# Altium PCB Giro_scope_2.0.PcbDoc (part 3 of 3)
Units mm, origin at the board's own origin, x right, y up, seen from the top; angles counter-clockwise.
Board outline 210.95 x 111.04 mm, 2 copper layers (Top Layer, Bottom Layer); 287 components, 128 nets, 1216 pads, 138 vias.
Unrouted connection lines stored in the file: 33.
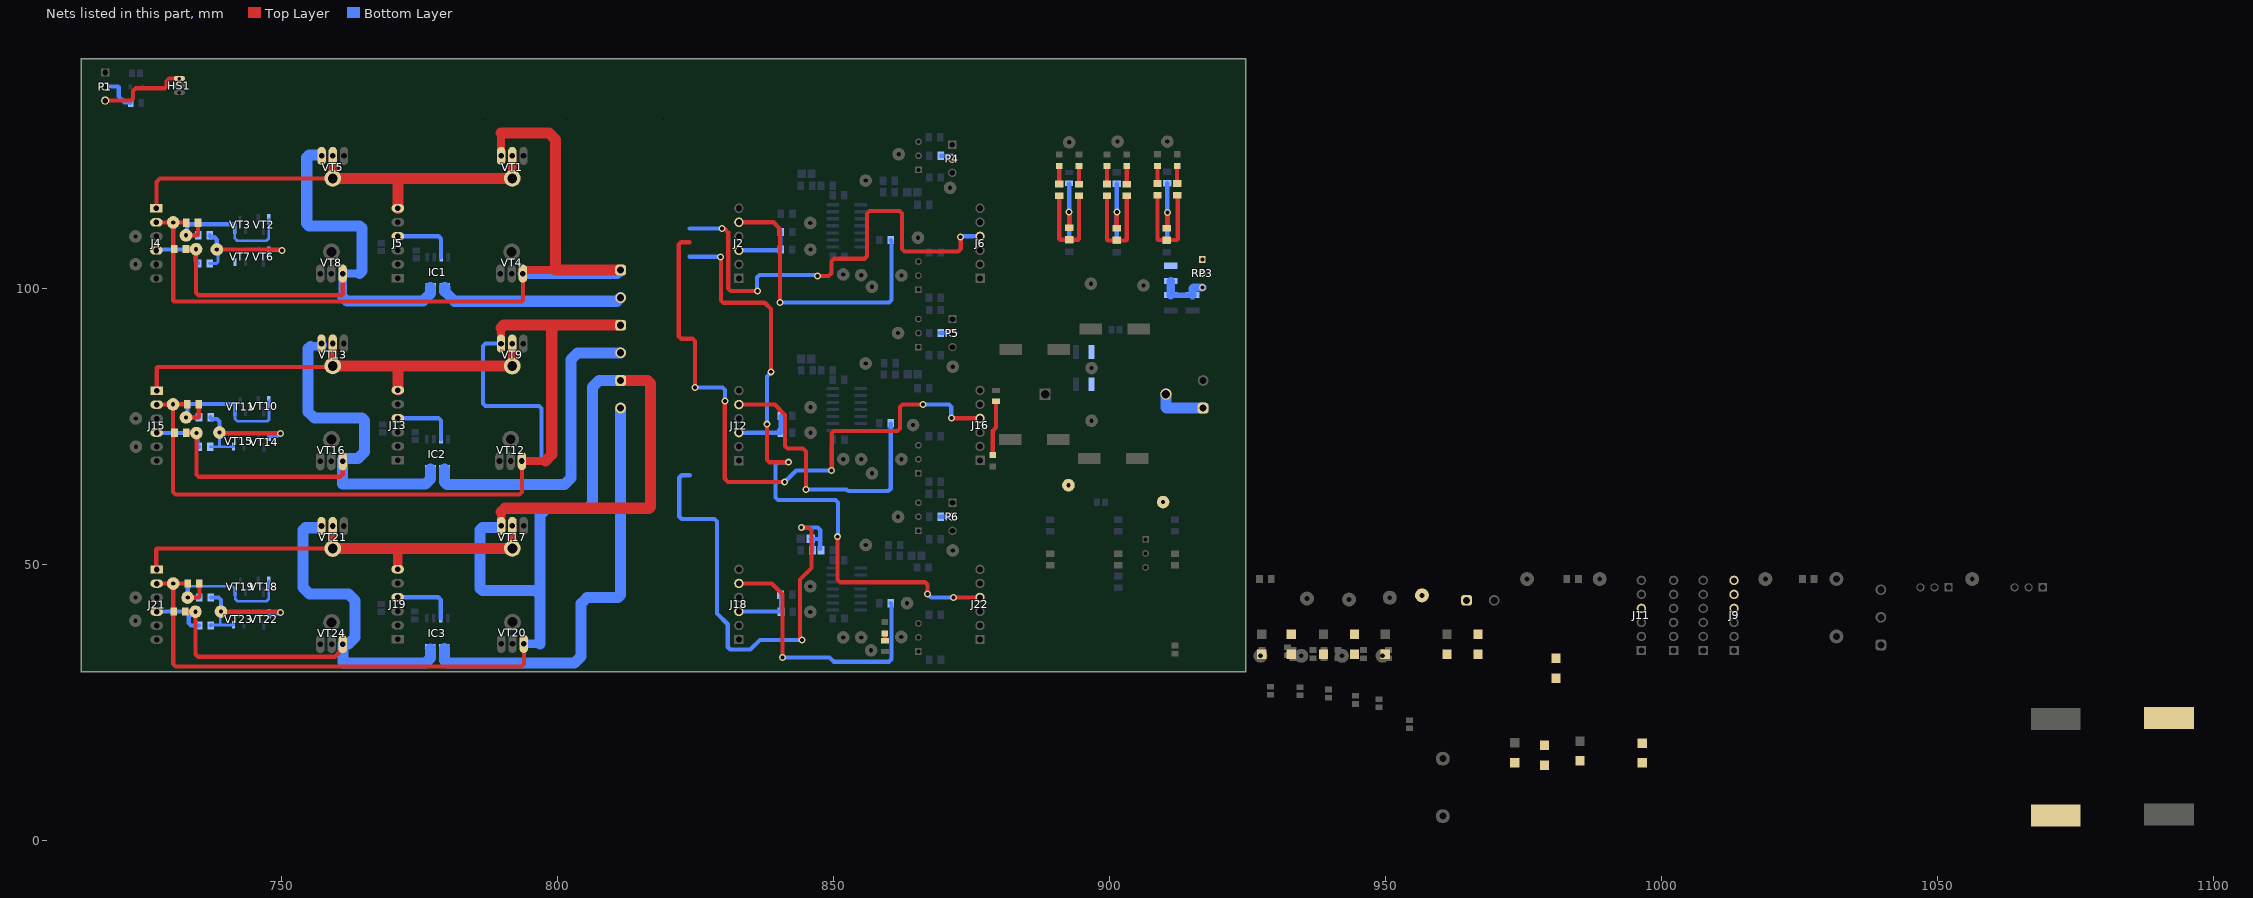
[diagram p3: the nets of this part, all layers, seen from the top]

## Via types
v1: diameter 1.27, hole 0.711, Top Layer to Bottom Layer, tented both sides, 106 vias
v2: diameter 1.5, hole 1.5, Top Layer to Bottom Layer, 20 vias
v3: diameter 6, hole 3, Top Layer to Bottom Layer, 8 vias
v4: diameter 1.27, hole 0.711, Top Layer to Bottom Layer, 4 vias

## Nets (pads, with @x,y where several pads share a name; then routed paths per layer and width w, separated by ;. In a path a pad name is that pad's centre, name@x,y a point inside that pad or via, vN(x,y) a via of type N, cw(c..) or ccw(c..) an arc to the next point about the centre after c; other vN are vias at no path point) (continued)
NetC19_2: C19.2 J11.4 R84.1 R89.1 | length 88
  Top Layer w0.762: v1(844.169,56.667) 844.266,56.57 845.551,56.57 845.998,56.124 845.998,49.327 843.94,47.269 843.94,36.79 844.271,36.459 v1(844.271,36.322)
  Bottom Layer w0.762: 823.976,66.142 822.517,66.142 822.071,65.695 822.071,58.663 822.517,58.217 828.457,58.217 828.904,57.77 828.904,41.123 830.859,39.167 830.859,35.016 831.306,34.569 834.923,34.569 836.676,36.322 v1(844.271,36.322) ; v1(844.169,56.667) 847.147,56.667 847.594,56.221 847.594,54.499 ; R89.1@846.189,52.555 846.189,54.315 C19.2@845.889,54.615 847.478,54.615 847.594,54.499 ; R84.1@847.594,52.778 847.594,54.499
NetCR1_2: CR1.2 J1.1 | length 9.2
  Bottom Layer w2: CR1.2@910.209,80.848 910.209,78.457 910.358,78.308 J1.1@916.94,78.308
NetD2_1: D2.1 R5.1 | length 10
  Top Layer w0.762: D2.1@878.84,69.833 878.84,74.193 879.45,74.803 R5.1@879.45,79.568
NetD3_1: D3.1 R20.1 | length 1.3
  Top Layer w0.762: R20.1@859.307,36.179 D3.1@859.307,37.473
NetD4_2: D4.2 R45.1 | length 3.3
  Top Layer w0.762: R45.1@894.461,118.856 D4.2@894.461,122.123
NetD5_1: D5.1 R48.1 | length 3.2
  Top Layer w0.762: R48.1@890.905,118.891 D5.1@890.905,122.123
NetD6_2: D6.2 R58.1 | length 3.3
  Top Layer w0.762: R58.1@903.097,118.856 D6.2@903.097,122.123
NetD7_1: D7.1 R61.1 | length 3.2
  Top Layer w0.762: R61.1@899.541,118.891 D7.1@899.541,122.123
NetD8_2: D8.2 R68.1 | length 3.2
  Top Layer w0.762: R68.1@912.241,118.983 D8.2@912.241,122.182
NetD9_1: D9.1 R73.1 | length 3.2
  Top Layer w0.762: R73.1@908.685,118.983 D9.1@908.685,122.182
NetD10_2: D10.2 D11.1 J3.1 J4.2 R7.1 R11.1 TP6.1 VT1.1 VT4.3 | length 162.6
  Top Layer w0.762: J4.2@727.38,111.938 TP6.1@730.428,111.938 ; R11.1@730.628,107.137 730.577,107.137 R11.1@730.428,107.286 ; R7.1@732.806,111.862 732.73,111.938 TP6.1@730.428,111.938 ; VT4.3@793.75,102.667 793.75,97.786 793.601,97.638 730.577,97.638 730.428,97.786 R11.1@730.428,107.286 ; R11.1@730.428,107.286 TP6.1@730.428,111.938
  Top Layer w1.5: VT1.1@789.806,123.977 789.806,128.103 ; VT4.3@793.75,102.667 793.75,103.064 793.988,103.302 799.541,103.302
  Top Layer w2: 789.806,128.103 798.522,128.103 799.694,126.931 799.694,103.454 799.541,103.302 J3.1@811.454,103.302
  Bottom Layer w0.762: VT4.3@793.75,102.667 VT4.3@794.055,102.972
  Bottom Layer w2: VT4.3@793.75,102.667 810.819,102.667 J3.1@811.149,102.997
NetD12_2: D12.2 D13.1 IC1.3 IC1.4 J4.4 R11.2 R25.1 TP16.1 VT5.1 VT8.3 | length 110.7
  Top Layer w0.762: R11.2@732.831,107.036 733.857,107.036 TP16.1@734.797,107.036 ; TP16.1@734.568,107.086 734.568,99.202 735.014,98.755 760.962,98.755 761.111,98.904 VT8.3@761.111,102.667
  Bottom Layer w0.762: J4.4@727.38,106.858 727.526,107.004 728.445,107.004 728.477,107.036 TP16.1@734.797,107.036 ; R25.1@734.94,104.521 734.94,104.621 734.506,105.055 734.506,106.462 TP16.1@734.94,106.896 ; VT5.1@756.942,124.155 757.12,123.977 VT5.1@757.294,123.977 ; IC1.4@776.402,100.183 777.037,100.183 IC1.3@777.672,100.183
  Bottom Layer w1.5: 761.111,98.476 VT8.3@761.111,102.667 764.17,102.667
  Bottom Layer w2: VT5.1@756.942,124.155 755.055,124.155 754.609,123.709 754.609,111.775 755.055,111.328 764.17,111.328 764.616,110.882 764.616,103.113 764.17,102.667 ; 761.111,98.476 761.873,97.714 775.651,97.714 777.037,99.099 777.037,100.183
NetD14_2: D14.2 D15.1 J14.1 J15.2 R38.1 R41.1 TP28.1 VT9.1 VT12.3 | length 182.6
  Top Layer w0.762: J15.2@727.431,78.943 727.456,78.969 730.377,78.969 TP28.1@730.402,78.994 ; R38.1@732.958,79.019 732.933,78.994 TP28.1@730.402,78.994 ; VT12.3@793.572,68.732 793.572,63.134 793.126,62.687 730.849,62.687 730.402,63.134 730.402,73.044 730.434,73.075 730.434,73.641 R41.1@730.656,73.863 730.402,74.117 TP28.1@730.402,78.994
  Top Layer w1.5: VT9.1@789.788,89.992 789.788,92.837 ; VT12.3@793.572,68.732 797.811,68.732
  Top Layer w2: 789.788,92.837 790.27,93.32 798.982,93.32 ; 797.811,68.732 798.982,69.904 798.982,93.32 ; J14.1@811.454,93.32 798.982,93.32
  Bottom Layer w0.762: VT9.1@789.788,89.992 786.957,89.992 786.511,89.546 786.511,79.136 786.957,78.689 796.646,78.689 797.103,78.232 797.103,69.179 796.656,68.732 VT12.3@793.572,68.732 VT12.3@793.718,68.878
NetD16_2: D16.2 D17.1 IC2.3 IC2.4 J15.4 R41.2 R51.1 TP36.1 VT13.1 VT16.3 | length 106.7
  Top Layer w0.762: R41.2@732.536,73.863 734.619,73.863 734.619,66.309 735.065,65.862 760.665,65.862 761.111,66.309 VT16.3@761.111,68.682
  Bottom Layer w0.762: J15.4@727.431,73.863 727.469,73.825 734.581,73.825 TP36.1@734.619,73.787 ; TP36.1@734.819,73.825 734.819,71.52 R51.1@735.041,71.298
  Bottom Layer w1.5: 755.247,89.501 VT13.1@757.038,89.501 ; VT13.1@757.276,89.739 VT13.1@757.276,90.018
  Bottom Layer w2: 755.247,89.501 754.812,89.066 754.812,77.651 755.983,76.479 764.652,76.479 765.099,76.033 765.099,70.387 763.927,69.215 761.349,69.215 761.111,68.977 VT16.3@761.111,68.682 761.111,64.592 776.133,64.592 777.011,65.471 777.011,67.24 ; VT13.1@757.038,89.501 VT13.1@757.276,89.739
NetD18_2: D18.2 D19.1 J20.1 J21.2 R71.1 R76.1 TP51.1 VT17.1 VT20.3 | length 235.2
  Top Layer w0.762: J21.2@727.431,46.533 TP51.1@730.428,46.533 ; R71.1@733.06,46.533 TP51.1@730.428,46.533 ; VT20.3@793.902,35.611 793.953,35.56 793.953,31.968 793.507,31.521 730.874,31.521 730.428,31.968 730.428,41.681 TP51.1@730.428,46.533 ; 816.392,59.944 816.839,60.39
  Top Layer w1.5: VT17.1@789.813,56.972 789.813,59.498
  Top Layer w2: 789.813,59.498 790.488,60.173 816.621,60.173 ; J20.1@811.454,83.312 816.28,83.312 816.839,82.753 816.839,60.39
  Bottom Layer w0.762: 806.809,60.427 806.958,60.575
  Bottom Layer w1.5: VT20.3@793.902,35.611 796.849,35.611
  Bottom Layer w2: VT17.1@789.508,56.667 786.424,56.667 785.978,56.221 785.978,45.684 786.424,45.237 796.036,45.237 796.849,44.425 ; 796.849,35.611 796.849,44.425 ; J20.1@811.454,83.312 807.511,83.312 806.339,82.14 806.339,61.046 805.415,60.122 798.02,60.122 796.849,58.95 796.849,45.237 796.849,44.425
NetD20_2: D20.2 D21.1 IC3.3 IC3.4 J21.4 R76.2 R81.1 TP60.1 VT21.1 VT24.3 | length 105.2
  Top Layer w0.762: R76.2@732.596,41.478 TP60.1@734.441,41.478 ; TP60.1@734.441,41.427 734.441,33.72 734.887,33.274 759.739,33.274 761.136,34.671 VT24.3@761.136,35.56
  Bottom Layer w0.762: J21.4@727.431,41.453 727.443,41.465 733.222,41.465 ; TP60.1@734.441,41.465 733.222,41.465 ; R81.1@735.117,38.938 733.668,38.938 733.222,39.385 733.222,41.465 ; IC3.4@776.351,34.804 IC3.3@777.621,34.804
  Bottom Layer w2: VT21.1@756.971,56.642 754.344,56.642 753.897,56.196 753.897,45.796 755.091,44.602 762.175,44.602 763.346,43.431 763.346,36.732 762.175,35.56 VT24.3@761.136,35.56 761.136,32.131 776.133,32.131 777.011,33.01 777.011,34.671
NetHS1_3: HS1.3 P1.3 | length 16.4
  Top Layer w0.762: P1.3@718.103,134.009 722.781,134.009 723.138,134.366 723.138,135.774 723.584,136.22 728.826,136.22 729.272,136.667 729.272,137.552 729.718,137.998 HS1.3@731.545,137.998
NetIC1_1: IC1.1 IC1.2 J3.2 | length 34.8
  Bottom Layer w0.762: IC1.2@778.942,100.183 779.602,100.183 IC1.1@780.212,100.183
  Bottom Layer w2: 779.602,100.183 779.602,99.473 781.413,97.663 810.815,97.663 J3.2@811.454,98.302
NetIC1_7: IC1.7 J5.4 | length 11.4
  Bottom Layer w0.762: J5.4@771.119,109.423 778.495,109.423 778.942,108.977 IC1.7@778.942,105.607
NetIC2_1: IC2.1 IC2.2 J14.2 | length 56.8
  Bottom Layer w2: 779.551,67.24 779.551,64.937 779.998,64.491 801.265,64.491 802.437,65.662 802.437,87.148 803.608,88.32 J14.2@811.454,88.32
NetIC2_7: IC2.7 J13.4 | length 11.4
  Bottom Layer w0.762: J13.4@771.093,76.479 778.47,76.479 778.916,76.033 IC2.7@778.916,72.664
NetIC3_1: IC3.1 IC3.2 J20.2 | length 79
  Bottom Layer w0.762: 799.592,32.182 799.744,32.029
  Bottom Layer w2: 779.526,34.804 779.526,32.628 779.972,32.182 799.592,32.182 803.069,32.182 804.24,33.353 804.24,42.872 805.412,44.044 811.007,44.044 811.454,44.49 J20.2@811.454,78.312
NetIC3_7: IC3.7 J19.4 | length 11.4
  Bottom Layer w0.762: J19.4@771.068,44.044 778.419,44.044 778.891,43.572 IC3.7@778.891,40.228
NetJ2_3: J2.3 R14.1 R31.1 | length 10.8
  Bottom Layer w0.762: J2.3@832.866,106.883 840.28,106.883 R31.1@840.432,107.036 R14.1@840.432,110.211
NetJ2_5: J2.5 R3.1 | length 52.6
  Top Layer w0.762: J2.5@832.866,111.963 839.118,111.963 840.308,110.773 v1(840.308,97.46)
  Bottom Layer w0.762: v1(840.308,97.46) 860.08,97.46 860.527,97.906 860.527,108.605 R3.1@860.378,108.753
NetJ6_4: J6.4 J9.6 | length 86.1
  Top Layer w0.762: v1(829.818,110.82) 829.915,110.723 830.324,110.723 830.928,110.12 830.928,99.997 831.407,99.517 v1(836.27,99.517) ; v1(847.09,102.21) 849.107,102.21 849.63,102.732 849.63,104.913 850.076,105.359 855.61,105.359 856.056,105.806 856.056,113.549 856.503,113.995 861.96,113.995 862.406,113.549 862.406,107.126 862.853,106.68 872.59,106.68 873.036,107.126 v1(873.036,109.334)
  Bottom Layer w0.762: 823.976,110.846 823.989,110.833 829.805,110.833 v1(829.818,110.82) ; v1(836.27,99.517) 836.172,99.614 836.172,101.225 836.168,101.23 836.168,101.992 836.614,102.438 846.724,102.438 846.953,102.21 v1(847.09,102.21) ; v1@872.947,109.245 v1(873.036,109.334) 873.125,109.423 J6.4@876.554,109.423
NetJ9_4: J9.4 J22.4 | length 117.2
  Top Layer w0.762: v1(829.531,105.689) 829.615,105.605 829.615,97.83 830.061,97.384 837.55,97.384 838.683,96.251 v1(838.683,84.887) ; v1(837.946,75.387) 837.946,68.95 838.392,68.504 v1(841.883,68.504) ; v1(850.748,55.016) 850.748,47.233 851.194,46.787 866.583,46.787 867.029,46.34 v1(867.029,44.679) ; v1(871.728,44.018) J22.4@876.529,44.018
  Bottom Layer w0.762: 823.951,105.766 823.989,105.727 829.493,105.727 v1(829.531,105.689) ; v1(837.946,75.387) 837.946,84.013 838.683,84.749 v1(838.683,84.887) ; v1(841.883,68.504) 839.967,68.504 839.521,68.057 839.521,62.118 839.967,61.671 850.352,61.671 850.798,61.225 850.798,55.067 v1(850.748,55.016) ; v1(867.029,44.679) 867.689,44.018 v1(871.728,44.018)
NetJ9_5: J9.5 J16.4 | length 112.9
  Top Layer w0.762: 823.951,108.306 823.9,108.356 822.416,108.356 821.969,107.91 821.969,91.328 822.416,90.881 824.495,90.881 824.941,90.435 v1(824.941,82.042) ; v1(830.351,79.629) 830.301,79.578 830.301,65.547 830.899,64.948 v1(841.172,64.948) ; v1@849.681,67.029 v1(849.681,67.031) 849.681,73.722 850.127,74.168 861.604,74.168 862.051,74.614 862.051,78.522 862.497,78.969 v1(866.191,78.969) ; v1(871.347,76.479) 871.372,76.454 J16.4@876.554,76.454
  Bottom Layer w0.762: v1(824.941,82.042) 829.905,82.042 830.351,81.596 v1(830.351,79.629) ; v1(841.172,64.948) 843.255,67.031 v1(849.681,67.031) ; v1(866.191,78.969) 870.901,78.969 871.347,78.522 v1(871.347,76.479)
NetJ12_3: J12.3 R43.1 R63.1 | length 10.6
  Bottom Layer w0.762: J12.3@832.866,73.863 R63.1@840.451,73.863 R43.1@840.451,76.911
NetJ12_5: J12.5 R35.1 | length 53.3
  Top Layer w0.762: J12.5@832.866,78.943 839.368,78.943 841.248,77.064 841.248,71.414 841.694,70.968 844.474,70.968 845.007,70.434 v1(845.007,63.576)
  Bottom Layer w0.762: v1(845.007,63.576) 852.384,63.576 852.689,63.271 859.928,63.271 860.374,63.718 R35.1@860.374,75.54
NetJ18_3: J18.3 R77.1 R91.1 | length 10.7
  Bottom Layer w0.762: J18.3@832.866,41.478 840.477,41.478 R91.1@840.502,41.453 R77.1@840.502,44.501
NetJ18_5: J18.5 R64.1 | length 50.6
  Top Layer w0.762: J18.5@832.866,46.558 838.82,46.558 840.791,44.588 v1(840.791,33.147)
  Bottom Layer w0.762: v1(840.791,33.147) 849.298,33.147 850.06,32.385 860.08,32.385 860.527,32.831 860.527,36.094 860.501,36.119 860.501,37.592 860.527,37.617 860.527,42.824 R64.1@860.374,42.977
NetL1_2: L1.2 R8.2 R9.2
NetL2_1: L2.1 R29.1 RP3.1 RP3.2
NetP1_2: P1.2 R1.2 | length 6.8
  Bottom Layer w0.762: P1.2@718.103,136.549 720.398,136.549 720.547,136.4 720.547,134.772 721.614,133.706 722.543,133.706 R1.2@722.695,133.553
NetP4_2: P4.2 R12.1 | length 2.2
  Bottom Layer w0.762: R12.1@869.451,124.028 871.453,124.028 P4.2@871.58,123.901
NetP5_2: P5.2 R36.1 | length 2.8
  Bottom Layer w0.762: R36.1@869.35,91.897 P5.2@871.555,91.897 P5.2@872.174,91.897
NetP6_2: P6.2 R65.1 | length 2.2
  Bottom Layer w0.762: R65.1@869.315,58.623 P6.2@871.474,58.623
NetR7_2: R7.2 R10.1 TP7.1 VT2.2 VT3.2 | length 29.8
  Top Layer w0.762: TP7.1@732.765,109.626 734.695,109.626 734.908,109.839 R7.2@734.908,111.862
  Bottom Layer w0.5: VT3.2@741.578,110.566 741.578,111.608 ; VT3.2@741.578,110.794 741.578,109.057 742.025,108.61 747.292,108.61 747.747,109.065 747.747,112.563 VT2.2@747.738,112.572
  Bottom Layer w0.762: TP7.1@732.739,109.601 TP7.1@732.752,109.614 ; R10.1@734.93,109.626 734.917,109.614 TP7.1@732.752,109.614 ; 741.578,111.608 733.353,111.608 732.907,111.161 732.907,109.769 TP7.1@732.752,109.614
NetR10_2: R10.2 R25.2 TP18.1 VT6.2 VT7.2 | length 22.2
  Top Layer w0.762: TP18.1@738.082,107.036 749.848,107.036 750.026,106.858 v1(750.164,106.858)
  Bottom Layer w0.5: R25.2@737.016,104.496 738.238,104.496 738.53,104.788 738.53,106.832 TP18.1@738.327,107.036 ; VT6.2@747.7,106.73 747.7,106.781 747.777,106.858 v1(750.164,106.858)
  Bottom Layer w0.762: R10.2@737.032,109.626 737.032,109.476 737.254,109.253 737.881,109.253 738.327,108.807 TP18.1@738.327,107.036
NetR16_2: R16.2 R22.1 R49.1 | length 13.1
  Top Layer w0.762: R49.1@892.683,110.947 v1(892.683,113.84)
  Bottom Layer w0.762: R16.2@892.683,108.731 v1(892.683,113.84) R22.1@892.683,118.948
NetR17_2: R17.2 R23.1 R62.1 | length 13.2
  Top Layer w0.762: R62.1@901.319,110.89 v1(901.319,113.805)
  Bottom Layer w0.762: R17.2@901.319,108.661 v1(901.319,113.805) R23.1@901.319,118.948
NetR18_2: R18.2 R24.1 R74.1 | length 13.4
  Top Layer w0.762: R74.1@910.336,110.855 910.463,110.982 v1(910.463,113.741)
  Bottom Layer w0.762: R18.2@910.336,108.661 910.463,108.788 v1(910.463,113.741) R24.1@910.463,119.04
NetR29_2: R29.2 R33.1 R34.1 RP3.3 | length 9.6
  Bottom Layer w0.762: 915.035,100.003 915.184,100.152
  Bottom Layer w1: R34.1@911.098,98.758 R33.1@915.035,98.758
  Bottom Layer w1.5: R34.1@911.098,98.758 R29.2@911.098,101.292 ; R33.1@915.035,98.758 915.035,100.003 ; 915.184,100.152 RP3.3@916.813,100.152
NetR38_2: R38.2 R40.1 TP29.1 VT10.2 VT11.2 | length 30
  Top Layer w0.762: TP29.1@732.739,76.632 734.911,76.632 735.06,76.781 R38.2@735.06,79.019
  Bottom Layer w0.5: 741.223,79.023 741.604,78.642 VT11.2@741.604,77.572 741.604,76.367 742.05,75.921 747.458,75.921 747.751,76.213 VT10.2@747.751,79.678
  Bottom Layer w0.762: TP29.1@732.739,76.632 732.989,76.882 732.989,78.598 733.436,79.045 741.223,79.045 ; TP29.1@732.989,76.632 735.067,76.632 R40.1@735.092,76.657
NetR40_2: R40.2 R51.2 TP40.1 VT14.2 VT15.2 | length 24
  Top Layer w0.762: TP40.1@738.784,73.749 749.846,73.749 v1(749.859,73.736)
  Bottom Layer w0.5: R51.2@737.143,71.298 738.784,71.298 ; TP40.1@738.784,74.321 738.784,71.298 ; VT15.2@741.354,71.298 738.784,71.298
  Bottom Layer w0.762: R40.2@737.194,76.657 737.194,76.574 737.416,76.352 738.338,76.352 738.784,75.905 TP40.1@738.784,74.321 ; VT14.2@747.9,73.254 749.239,73.254 749.721,73.736 v1(749.859,73.736)
NetR45_2: R45.2 R48.2 R49.2 TP33.1 | length 19.3
  Top Layer w0.762: R48.2@890.905,116.789 890.905,108.937 891.054,108.788 894.312,108.788 894.461,108.937 R45.2@894.461,116.754
NetR58_2: R58.2 R61.2 R62.2 TP43.1 | length 19.6
  Top Layer w0.762: R61.2@899.541,116.789 899.541,108.81 899.69,108.661 902.948,108.661 903.097,108.81 R58.2@903.097,116.754
NetR68_2: R68.2 R73.2 R74.2 TP53.1 | length 19.8
  Top Layer w0.762: R73.2@908.685,116.881 908.685,108.902 908.834,108.753 R74.2@910.336,108.753 912.219,108.753 912.368,108.902 912.368,116.754 R68.2@912.241,116.881
NetR71_2: R71.2 R75.1 TP52.1 VT18.2 VT19.2 | length 29
  Top Layer w0.762: TP52.1@733.044,43.993 734.974,43.993 735.162,44.18 R71.2@735.162,46.533
  Bottom Layer w0.5: 733.095,46.05 741.157,46.05 741.604,45.604 741.604,45.047 VT19.2@741.642,45.009 741.642,43.779 742.088,43.332 747.292,43.332 747.738,43.779 VT18.2@747.738,46.989
  Bottom Layer w0.762: 733.095,46.05 733.044,46.101 TP52.1@733.044,43.993 R75.1@735.143,43.993
NetR75_2: R75.2 R81.2 TP63.1 VT22.2 VT23.2 | length 24.5
  Top Layer w0.762: TP63.1@739.094,41.423 749.787,41.423 v1(749.884,41.326)
  Bottom Layer w0.5: R81.2@737.321,39.04 738.937,39.04 ; TP63.1@739.064,41.453 738.937,41.326 738.937,39.04 ; VT23.2@741.354,39.04 738.937,39.04 ; VT22.2@747.789,41.046 747.83,41.046 747.843,41.033 749.383,41.033 749.676,41.326 v1(749.884,41.326)
  Bottom Layer w0.762: R81.2@737.219,38.938 R81.2@737.321,39.04 ; R75.2@737.244,43.993 738.617,43.993 739.064,43.546 739.064,41.173 TP63.1@739.398,40.839
VCC_1: D10.1 D12.1 D14.1 D16.1 D18.1 D20.1 J4.1 J5.6 J13.6 J15.1 J17.1 J19.6 J21.1 VT1.2 VT5.2 VT9.2 VT13.2 VT17.2 VT21.2 | length 244.6
  Top Layer w0.762: J4.1@727.38,114.478 727.38,119.278 728.015,119.913 VT5.2@759.326,119.913 ; J21.1@727.431,49.073 727.354,49.149 727.354,52.734 727.503,52.883 VT21.2@759.308,52.883 VT21.2@759.32,52.895 ; J15.1@727.431,81.483 727.431,85.547 727.634,85.75 759.104,85.75 VT13.2@759.308,85.954 VT13.2@759.32,85.941 ; 771.119,119.863 771.169,119.913 ; VT1.2@791.718,123.977 VT1.2@791.82,123.876 ; VT17.2@791.832,52.895 VT17.2@791.845,52.908
  Top Layer w1.5: VT21.2@759.308,52.883 VT21.2@759.308,56.947 ; VT13.2@759.308,85.954 VT13.2@759.308,90.018 ; VT5.2@759.326,119.913 VT5.2@759.326,123.977 ; VT9.2@791.82,85.928 VT9.2@791.82,89.992 ; VT1.2@791.838,119.913 VT1.2@791.838,123.977 ; VT17.2@791.845,52.908 VT17.2@791.845,56.972
  Top Layer w1.7: J19.6@771.068,49.124 771.068,52.819
  Top Layer w2: VT21.2@759.32,52.895 771.144,52.895 ; VT13.2@759.32,85.941 771.093,85.941 ; VT5.2@759.326,119.913 771.169,119.913 VT1.2@791.838,119.913 ; 771.068,52.819 771.144,52.895 ; J13.6@771.093,81.559 771.093,85.941 ; J5.6@771.119,114.503 771.119,119.863 ; VT9.2@791.82,85.928 791.807,85.941 771.093,85.941 ; VT17.2@791.832,52.895 771.144,52.895
pads on no net: L2.2
copper on no net: | length 1196.3
  Top Layer w0.762: 739.115,134.01 743.793,134.01 744.15,134.368 744.15,135.775 744.596,136.222 749.838,136.222 750.284,136.668 750.284,137.553 750.73,138 752.557,138 ; 760.12,134.01 764.799,134.01 765.156,134.368 765.156,135.775 765.602,136.222 770.843,136.222 771.29,136.668 771.29,137.553 771.736,138 773.563,138 ; 781.075,134.01 785.754,134.01 786.111,134.368 786.111,135.775 786.557,136.222 791.798,136.222 792.245,136.668 792.245,137.553 792.691,138 794.518,138 ; 802.081,134.01 806.759,134.01 807.116,134.368 807.116,135.775 807.563,136.222 812.804,136.222 813.251,136.668 813.251,137.553 813.697,138 815.524,138 ; 823.112,133.985 827.791,133.985 828.148,134.342 828.148,135.75 828.594,136.196 833.835,136.196 834.282,136.643 834.282,137.528 834.728,137.974 836.555,137.974 ; 823.976,61.062 823.976,63.602 ; v1(828.192,60.833) 828.269,60.909 842.501,60.909 ; 840.401,47.549 v1(840.401,49.064) v1@840.435,49.098 ; 840.477,80.01 840.511,80.044 v1(840.511,81.61) ; v1(842.442,115.621) 842.504,115.558 842.504,113.625 842.567,113.563 ; 842.567,113.513 842.567,83.156 842.716,83.007 ; v1(844.087,50.54) 842.501,50.54 ; 844.093,133.985 848.771,133.985 849.128,134.342 849.128,135.75 849.574,136.196 854.816,136.196 855.262,136.643 855.262,137.528 855.709,137.974 857.535,137.974 ; v1(844.144,83.007) 842.716,83.007 ; 865.099,134.01 869.777,134.01 870.134,134.368 870.134,135.775 870.58,136.222 875.822,136.222 876.268,136.668 876.268,137.553 876.714,138 878.541,138 ; 865.302,109.169 865.302,112.584 865.748,113.03 v1(873.328,113.03) ; v1(883.412,106.528) 883.437,106.502 883.437,98.349 v1(883.463,98.323) ; v1(885.749,83.972) 885.8,83.922 885.8,78.45 886.246,78.003 908.257,78.003 908.406,77.855 908.406,71.243 908.554,71.095 914.277,71.095 914.425,70.946 914.425,51.984 ; 886.104,133.985 890.783,133.985 891.14,134.342 891.14,135.75 891.586,136.196 896.827,136.196 897.274,136.643 897.274,137.528 897.72,137.974 899.547,137.974 ; 889.508,72.72 905.256,72.72 905.256,69.164 ; 892.683,63.83 892.683,69.015 892.832,69.164 896.334,69.164 895.94,68.77 895.94,62.586 ; 894.207,49.444 894.207,46.169 894.058,46.02 890.089,46.02 889.94,45.872 889.94,43.129 889.94,37.922 889.94,31.917 889.493,31.471 842.948,31.471 842.501,31.917 842.501,47.549 842.501,50.54 ; 895.95,62.382 895.967,62.365 895.967,59.911 895.985,59.893 ; 897.9,62.382 897.9,62.375 897.994,62.281 903.148,62.281 ; 905.034,69.164 905.256,69.164 ; 905.248,62.281 905.248,60.692 905.694,60.245 905.841,60.245 906.142,59.944 906.501,59.944 ; 905.256,62.281 905.256,69.164 ; 905.535,37.922 905.535,39.776 ; 905.535,43.129 905.535,39.776 ; 906.399,59.893 908.486,59.893 909.701,61.108 909.701,61.29 ; 907.11,133.985 911.788,133.985 912.145,134.342 912.145,135.75 912.592,136.196 917.833,136.196 918.28,136.643 918.28,137.528 918.726,137.974 920.553,137.974 ; 911.86,51.927 911.917,51.984 914.425,51.984 ; 916.813,51.984 914.425,51.984 ; 916.94,93.341 923.48,93.341 923.927,92.895 923.927,42.966 923.48,42.52 910.605,42.52 910.158,42.073 910.158,40.223 909.712,39.776 905.535,39.776 ; 842.501,50.54 842.501,60.909 ; 842.501,60.909 846.11,60.909 846.557,61.356 846.557,71.613 846.11,72.06 843.193,72.06 842.746,72.506 842.746,79.841 842.577,80.01 842.577,82.869 842.716,83.007
  Bottom Layer w0.5: 842.442,116.307 847.661,116.307 847.954,116.014 847.954,111.477 848.102,111.328 849.898,111.328 ; v1@844.017,50.47 847.805,50.47 847.954,50.321 847.954,45.784 848.102,45.636 849.852,45.636 849.961,45.526 ; v1(844.144,83.007) 847.805,83.007 847.954,82.858 847.954,78.213 848.102,78.064 849.961,78.064 ; 854.925,110.058 854.954,110.029 856.015,110.029 856.032,110.011 864.116,110.011 864.958,109.169 865.302,109.169
  Bottom Layer w0.762: 739.115,136.55 741.41,136.55 741.559,136.402 741.559,134.774 742.626,133.707 743.555,133.707 743.707,133.555 ; 739.115,139.09 739.171,139.147 739.171,140.391 739.32,140.54 745.217,140.54 745.409,140.347 745.409,138.839 745.874,138.374 745.874,136.542 ; 744.008,138.965 743.609,138.566 743.609,136.562 743.644,136.527 743.644,135.228 743.793,135.079 745.46,135.079 ; 745.609,133.555 745.609,134.93 745.46,135.079 ; 745.874,136.527 745.874,136.542 ; 752.557,135.46 752.532,135.434 746.283,135.434 745.928,135.079 745.46,135.079 ; 752.557,136.73 746.062,136.73 745.874,136.542 ; 760.12,136.55 762.416,136.55 762.565,136.402 762.565,134.774 763.632,133.707 764.56,133.707 764.713,133.555 ; 760.12,139.09 760.177,139.147 760.177,140.391 760.326,140.54 766.222,140.54 766.415,140.347 766.415,138.839 766.88,138.374 766.88,136.542 ; 765.014,138.965 764.614,138.566 764.614,136.562 764.65,136.527 764.65,135.228 764.799,135.079 766.466,135.079 ; 766.615,133.555 766.615,134.93 766.466,135.079 ; 766.88,136.527 766.88,136.542 ; 773.563,135.46 773.538,135.434 767.289,135.434 766.934,135.079 766.466,135.079 ; 773.563,136.73 767.068,136.73 766.88,136.542 ; 781.075,136.55 783.371,136.55 783.52,136.402 783.52,134.774 784.587,133.707 785.515,133.707 785.668,133.555 ; 781.075,139.09 781.132,139.147 781.132,140.391 781.281,140.54 787.177,140.54 787.37,140.347 787.37,138.839 787.835,138.374 787.835,136.542 ; 785.969,138.965 785.569,138.566 785.569,136.562 785.605,136.527 785.605,135.228 785.754,135.079 787.421,135.079 ; 787.57,133.555 787.57,134.93 787.421,135.079 ; 787.835,136.527 787.835,136.542 ; 794.518,135.46 794.493,135.434 788.244,135.434 787.889,135.079 787.421,135.079 ; 794.518,136.73 788.023,136.73 787.835,136.542 ; 802.081,136.55 804.377,136.55 804.526,136.402 804.526,134.774 805.592,133.707 806.521,133.707 806.674,133.555 ; 802.081,139.09 802.138,139.147 802.138,140.391 802.287,140.54 808.183,140.54 808.376,140.347 808.376,138.839 808.841,138.374 808.841,136.542 ; 806.974,138.965 806.575,138.566 806.575,136.562 806.611,136.527 806.611,135.228 806.76,135.079 808.427,135.079 ; 808.575,133.555 808.575,134.93 808.427,135.079 ; 808.841,136.527 808.841,136.542 ; 815.524,135.46 815.498,135.434 809.25,135.434 808.894,135.079 808.427,135.079 ; 815.524,136.73 809.029,136.73 808.841,136.542 ; 823.112,136.525 825.408,136.525 825.557,136.376 825.557,134.749 826.624,133.682 827.552,133.682 827.705,133.529 ; 823.112,139.065 823.169,139.122 823.169,140.366 823.318,140.514 829.214,140.514 829.407,140.322 829.407,138.814 829.872,138.349 829.872,136.516 ; 823.951,61.453 824.291,61.112 ; 823.976,61.062 824.107,60.93 828.095,60.93 v1(828.192,60.833) ; 828.006,138.94 827.606,138.54 827.606,136.537 827.642,136.501 827.642,135.202 827.791,135.053 829.458,135.053 ; 829.607,133.529 829.607,134.905 829.458,135.053 ; 829.872,136.501 829.872,136.516 ; 836.555,135.434 836.53,135.409 830.281,135.409 829.926,135.053 829.458,135.053 ; 836.555,136.704 830.06,136.704 829.872,136.516 ; v1(840.401,49.064) 840.401,47.593 840.41,47.585 ; 840.451,79.985 840.511,80.045 v1(840.511,81.61) ; v1(842.442,115.621) 842.442,116.307 842.442,117.748 842.888,118.194 843.861,118.194 844.083,118.416 844.083,118.567 ; v1@844.017,50.47 v1(844.087,50.54) 844.087,52.555 844.087,54.615 ; 844.093,136.525 846.388,136.525 846.537,136.376 846.537,134.749 847.604,133.682 848.533,133.682 848.685,133.529 ; 844.093,139.065 844.15,139.122 844.15,140.366 844.298,140.514 850.195,140.514 850.388,140.322 850.388,138.814 850.853,138.349 850.853,136.516 ; v1(844.144,83.007) 844.144,85.134 844.15,85.141 844.15,87.201 ; 844.233,118.567 844.233,120.777 ; 848.986,138.94 848.587,138.54 848.587,136.537 848.623,136.501 848.623,135.202 848.771,135.053 850.438,135.053 ; 850.587,133.529 850.587,134.905 850.438,135.053 ; 850.853,136.501 850.853,136.516 ; 857.535,135.434 857.51,135.409 851.262,135.409 850.906,135.053 850.438,135.053 ; 857.535,136.704 851.041,136.704 850.853,136.516 ; 865.099,136.55 867.394,136.55 867.543,136.402 867.543,134.774 868.61,133.707 869.539,133.707 869.691,133.555 ; 865.099,139.09 865.155,139.147 865.155,140.391 865.304,140.54 871.201,140.54 871.393,140.347 871.393,138.839 871.858,138.374 871.858,136.542 ; 869.35,36.779 871.474,36.779 ; 869.35,69.037 871.474,69.037 ; 869.442,102.311 871.555,102.311 ; 869.992,138.965 869.593,138.566 869.593,136.562 869.628,136.527 869.628,135.228 869.777,135.079 871.444,135.079 ; 871.593,133.555 871.593,134.93 871.444,135.079 ; 871.858,136.527 871.858,136.542 ; v1(873.328,113.03) 873.231,113.127 873.231,116.119 874.613,117.5 882.966,117.5 883.412,117.054 v1(883.412,106.528) ; 878.541,135.46 878.516,135.434 872.267,135.434 871.912,135.079 871.444,135.079 ; 878.541,136.73 872.046,136.73 871.858,136.542 ; v1(883.463,98.323) 883.463,84.368 883.909,83.922 885.698,83.922 v1(885.749,83.972) ; 886.104,136.525 888.4,136.525 888.549,136.376 888.549,134.749 889.616,133.682 890.544,133.682 890.697,133.529 ; 886.104,139.065 886.161,139.122 886.161,140.366 886.31,140.514 892.206,140.514 892.399,140.322 892.399,138.814 892.864,138.349 892.864,136.516 ; 887.4,43.129 887.247,43.282 887.247,57.966 887.396,58.115 889.254,58.115 892.683,58.115 ; 889.254,43.161 889.254,45.796 894.207,45.796 ; 890.998,138.94 890.598,138.54 890.598,136.537 890.634,136.501 890.634,135.202 890.783,135.053 892.45,135.053 ; 892.599,133.529 892.599,134.905 892.45,135.053 ; 892.683,64.338 892.683,58.115 ; 892.864,136.501 892.864,136.516 ; 894.207,49.444 894.207,45.796 ; 894.207,54.524 894.207,58.115 ; 897.763,61.163 897.763,58.115 ; 899.547,135.434 899.522,135.409 893.273,135.409 892.918,135.053 892.45,135.053 ; 899.547,136.704 893.052,136.704 892.864,136.516 ; 901.981,65.073 902.208,64.846 916.818,64.846 ; 901.981,73.177 901.981,74.041 ; 904.821,78.613 904.897,78.537 ; 904.847,73.177 904.897,73.228 ; 906.526,49.444 906.526,45.796 ; 906.526,54.524 906.526,57.988 906.399,58.115 ; 907.11,136.525 909.406,136.525 909.555,136.376 909.555,134.749 910.621,133.682 911.55,133.682 911.703,133.529 ; 907.11,139.065 907.167,139.122 907.167,140.366 907.316,140.514 913.212,140.514 913.405,140.322 913.405,138.814 913.87,138.349 913.87,136.516 ; 909.793,61.29 909.973,61.11 909.973,59.915 910.122,59.766 916.818,59.766 ; 912.003,138.94 911.604,138.54 911.604,136.537 911.64,136.501 911.64,135.202 911.789,135.053 913.456,135.053 ; 913.604,133.529 913.604,134.905 913.456,135.053 ; 913.87,136.501 913.87,136.516 ; 916.813,54.524 916.813,57.966 916.664,58.115 911.86,58.115 906.399,58.115 ; 916.818,62.306 916.818,59.766 ; 920.553,135.434 920.527,135.409 914.279,135.409 913.923,135.053 913.456,135.053 ; 920.553,136.704 914.058,136.704 913.87,136.516 ; 892.683,58.115 894.207,58.115 ; 894.207,45.796 901.573,45.796 906.526,45.796 ; 894.207,58.115 897.763,58.115 ; 897.763,58.115 901.573,58.115 906.399,58.115 ; 906.526,45.796 911.86,45.796 911.895,45.761 916.664,45.761 916.813,45.91 916.813,49.444 916.94,49.317 919.353,49.317 919.353,59.617 919.204,59.766 916.818,59.766
  Bottom Layer w1: 901.981,65.073 901.981,73.177 ; 904.897,74.041 904.897,78.537
  Bottom Layer w1.5: 901.754,78.969 904.821,78.969 ; 901.981,73.177 904.847,73.177
  other v2: 832.77,133.987 853.751,133.987 895.762,133.987 916.768,133.987 727.761,134.01 748.773,134.012 769.778,134.012 790.733,134.012 811.739,134.012 874.757,134.012 832.77,139.067 853.751,139.067 895.762,139.067 916.768,139.067 727.761,139.09 748.773,139.092 769.778,139.092 790.733,139.092 811.739,139.092 874.757,139.092

## Polygon pours and split planes (outlines as drawn)
-12 on Top Layer "NONET_L-01_P-001" (solid, pour order 1): 924.673,141.556 924.673,30.567 924.662,30.556 713.744,30.556 713.744,141.557 713.756,141.569
-12 on Bottom Layer "NONET_L-01_P-001" (solid, pour order 0): 713.756,141.569 713.744,141.557 713.744,30.556 924.662,30.556 924.673,30.567 924.673,141.556

## Other copper
Multi-Layer:
  lines w0.2: 924.662,130.556 924.662,30.556 713.744,30.556 ; 713.744,30.556 713.744,130.556 ; 713.744,30.556 713.744,130.556 ; 713.744,30.556 713.744,130.556 ; 713.744,30.556 713.744,130.556 ; 713.756,141.569 713.756,130.569 713.756,141.569 ; 713.756,141.569 924.673,141.556 ; 713.756,141.569 924.673,141.556 ; 924.673,141.556 924.673,130.569 924.673,141.556

## Silkscreen, mask and mechanical layers (free items; w line width, h text height)
Top Overlay:
  drawing of 742 lines, arcs and shapes, not listed
  text "-5V" at 923.216,92.174 h1 r90
  text "COR-EN.GR-2.0" at 719.912,89.552 h3.52
  text "+5V" at 923.216,85.824 h1 r90
  text "GND" at 923.089,81.887 h1 r90
  text "VCC" at 922.962,75.918 h1 r90
Bottom Overlay:
  lines w0.254: 815.454,75.812 818.203,75.812 ; 815.454,85.812 818.145,85.812 ; 815.454,95.802 818.152,95.802 ; 815.454,105.802 818.246,105.802
  text "+" at 815.205,104.359 h3 r270
  text "-" at 818.253,97.291 h3 r90
  text "+" at 815.205,94.428 h3 r270
  text "-" at 818.303,87.385 h3 r90
  text "+" at 815.205,84.471 h3 r270
  text "-" at 818.253,77.276 h3 r90
  text "COR-EN.GR-2.0" at 742.417,54.254 h1.52
Top Paste:
  lines w0.762: 877.773,32.741 877.875,32.842
Mechanical 1:
  circle w0.013: c719.736,36.543 r2
  circle w0.013: c719.736,124.556 r2
  circle w0.013: c813.195,36.543 r2
  circle w0.013: c813.198,124.543 r2
  circle w0.013: c825.195,36.543 r2
  circle w0.013: c825.195,124.543 r2
  circle w0.013: c918.653,36.543 r2
  circle w0.013: c918.653,124.543 r2
  pour cut-out: 796.739,133.57 ccw(c797.739,133.568) 798.738,133.565 798.756,139.568 798.756,139.562 ccw(c797.756,139.568) 796.756,139.568
  lines w0.013: 818.204,36.563 ccw(c819.204,36.563) 820.204,36.563 ; 818.207,124.562 cw(c819.207,124.563) 820.207,124.563 ; 718.778,129.556 cw(c718.761,130.556) 718.778,131.556 ccw(c718.761,130.556) 718.778,129.556 ; 719.756,131.569 ccw(c718.756,131.569) 719.756,131.582 cw(c718.756,131.569) 719.756,131.569 ; 733.739,133.57 ccw(c734.739,133.568) 735.738,133.565 cw(c734.739,133.568) 733.739,133.57 ; 733.756,139.568 cw(c734.756,139.568) 735.756,139.562 ccw(c734.756,139.568) 733.756,139.568 ; 754.739,133.569 ccw(c755.738,133.566) 756.738,133.563 cw(c755.738,133.566) 754.739,133.569 ; 754.756,139.566 cw(c755.756,139.566) 756.756,139.561 ccw(c755.756,139.566) 754.756,139.566 ; 775.739,133.568 ccw(c776.738,133.565) 777.738,133.562 cw(c776.738,133.565) 775.739,133.568 ; 775.756,139.565 cw(c776.756,139.565) 777.756,139.559 ccw(c776.756,139.565) 775.756,139.565 ; 796.739,133.57 ccw(c797.739,133.568) 798.738,133.565 cw(c797.739,133.568) 796.739,133.57 ; 796.756,139.568 cw(c797.756,139.568) 798.756,139.562 ccw(c797.756,139.568) 796.756,139.568 ; 817.739,133.565 ccw(c818.738,133.562) 819.738,133.56 cw(c818.738,133.562) 817.739,133.565 ; 817.756,139.562 cw(c818.756,139.562) 819.756,139.557 ccw(c818.756,139.562) 817.756,139.562 ; 838.739,133.564 ccw(c839.739,133.561) 840.738,133.558 cw(c839.739,133.561) 838.739,133.564 ; 838.756,139.561 cw(c839.756,139.561) 840.756,139.555 ccw(c839.756,139.561) 838.756,139.561 ; 859.739,133.563 ccw(c860.738,133.56) 861.738,133.557 cw(c860.738,133.56) 859.739,133.563 ; 859.756,139.56 cw(c860.756,139.56) 861.756,139.554 ccw(c860.756,139.56) 859.756,139.56 ; 880.739,133.561 ccw(c881.739,133.559) 882.738,133.556 cw(c881.739,133.559) 880.739,133.561 ; 880.756,139.559 cw(c881.756,139.559) 882.756,139.553 ccw(c881.756,139.559) 880.756,139.559 ; 901.739,133.56 ccw(c902.738,133.557) 903.738,133.554 cw(c902.738,133.557) 901.739,133.56 ; 901.756,139.557 cw(c902.756,139.557) 903.756,139.552 ccw(c902.756,139.557) 901.756,139.557 ; 919.678,129.556 ccw(c919.678,130.556) 919.678,131.556 cw(c919.678,130.556) 919.678,129.556
  lines w0.762: 801.653,30.543 713.736,30.543 ; 818.207,124.562 818.204,36.563 ; 820.204,36.563 820.207,124.563 ; 924.653,130.543 924.653,30.543 713.736,30.543 ; 924.663,30.556 924.663,130.556 ; 924.671,30.569 924.671,130.569 ; 713.736,30.543 713.736,130.543 ; 713.736,30.543 713.736,130.543 ; 713.736,30.543 713.736,130.543 ; 713.736,30.543 713.736,130.543 ; 713.756,141.569 713.756,130.569 713.756,141.569 ; 713.756,141.569 924.673,141.556 ; 713.756,141.569 924.673,141.556 ; 718.756,131.569 718.756,131.582 ; 718.756,131.569 718.756,131.582 ; 718.756,131.569 718.756,131.582 ; 718.756,131.569 718.756,131.582 ; 718.761,131.556 718.761,131.556 ; 718.761,131.556 718.761,131.556 ; 718.761,131.556 919.678,131.556 718.761,131.556 ; 734.756,132.568 734.756,132.568 ; 734.756,132.568 734.756,132.568 ; 755.756,132.566 755.756,132.566 ; 755.756,132.566 755.756,132.566 ; 776.756,132.565 776.756,132.565 ; 776.756,132.565 776.756,132.565 ; 797.756,132.568 797.756,132.568 ; 797.756,132.568 797.756,132.568 ; 818.204,36.563 818.204,36.563 ; 818.756,132.562 818.756,132.563 ; 818.756,132.562 818.756,132.563 ; 839.756,132.561 839.756,132.561 ; 839.756,132.561 839.756,132.561 ; 860.756,132.56 860.756,132.56 ; 860.756,132.56 860.756,132.56 ; 881.756,132.559 881.756,132.559 ; 881.756,132.559 881.756,132.559 ; 902.756,132.557 902.756,132.557 ; 902.756,132.557 902.756,132.557 ; 924.673,141.556 924.673,130.569 924.673,141.556 ; 718.76,129.556 919.678,129.556 718.76,129.556 ; 733.739,133.57 733.756,139.568 733.739,133.57 ; 735.738,133.565 735.756,139.568 735.738,133.565 ; 754.739,133.569 754.756,139.566 754.739,133.569 ; 756.738,133.563 756.756,139.566 756.738,133.563 ; 775.739,133.568 775.756,139.565 775.739,133.568 ; 777.738,133.562 777.756,139.565 777.738,133.562 ; 796.739,133.57 796.756,139.568 796.739,133.57 ; 798.738,133.565 798.756,139.568 798.738,133.565 ; 817.739,133.565 817.756,139.562 817.739,133.565 ; 819.738,133.56 819.756,139.562 819.738,133.56 ; 838.739,133.564 838.756,139.561 838.739,133.564 ; 840.738,133.558 840.756,139.561 840.738,133.558 ; 859.739,133.563 859.756,139.56 859.739,133.563 ; 861.738,133.557 861.756,139.56 861.738,133.557 ; 880.739,133.561 880.756,139.559 880.739,133.561 ; 882.738,133.556 882.756,139.559 882.738,133.556 ; 901.739,133.56 901.756,139.557 901.739,133.56 ; 903.738,133.554 903.756,139.557 903.738,133.554

## Dimensions
713.744,141.557 to 713.744,30.556 on Bottom Layer
713.744,141.557 to 924.673,141.556 on Bottom Layer

## Text inside footprints (layer, text, board x,y; h text height)
*1: Bottom Overlay "*" at 855.497,115.569 h1.27; Mechanical 13 "*" at 854.342,114.351 h1.27
*2: Bottom Overlay "*" at 855.484,82.321 h1.27; Mechanical 13 "*" at 854.329,81.102 h1.27
*3: Bottom Overlay "*" at 855.485,49.783 h1.27; Mechanical 13 "*" at 854.33,48.565 h1.27